# Allegro board S071AA-0413-20260427_Power3.brd (continued)
## Routing (per net, layer and track width the routed paths; a pad name or vN(x,y) marks a point on that pad's centre or on a via; arc(x,y) is an arc through that point) (continued)
; D232.A5 47.06,396.24 ; 171.92,330.2 D113.B13 ; D113.B13 172.99,331.27 ; D113.B13 174.06,330.2 ; D113.B13 172.99,329.13 ; 99.33,395.17 D228.A13 ; D228.A13 100.4,396.24 ; D228.A13 99.33,397.31 ; D228.A13 98.26,396.24 ; 250.66,355.6 D110.A11 ; D110.A11 252.8,355.6 ; D110.A11 251.73,356.67 ; D110.A11 251.73,354.53 ; D106.A3 242.64,73.66 ; D106.A3 241.57,74.73 ; D106.A3 241.57,72.59 ; D106.A3 240.5,73.66 ; D119.B10 39.44,60.96 ; D119.B10 38.37,59.89 ; D119.B10 37.3,60.96 ; D119.B10 38.37,62.03 ; D114.A12 175.53,354.13 ; D114.A12 176.6,353.06 ; D114.A12 174.46,353.06 ; D114.A12 175.53,351.99 ; CSDPS229.B8 38.37,333.81 ; CSDPS229.B8 38.37,331.67 ; CSDPS229.B8 37.3,332.74 ; CSDPS229.B8 39.44,332.74 ; D432.B2 53.61,399.85 ; D432.B2 52.54,398.78 ; D432.B2 53.61,397.71 ; D432.B2 54.68,398.78 ; D113.A7 188.23,336.35 ; D113.A7 188.23,334.21 ; D113.A7 189.3,335.28 ; D113.A7 187.16,335.28 ; 33.29,397.71 D432.B10 ; D432.B10 32.22,398.78 ; D432.B10 34.36,398.78 ; D432.B10 33.29,399.85 ; D112.A10 255.34,393.7 ; D112.A10 254.27,392.63 ; D112.A10 254.27,394.77 ; D112.A10 253.2,393.7 ; 170.45,387.55 D116.B14 ; D116.B14 171.52,388.62 ; D116.B14 170.45,389.69 ; D116.B14 169.38,388.62 ; 180.61,346.91 D114.B10 ; D114.B10 179.54,347.98 ; D114.B10 181.68,347.98 ; D114.B10 180.61,349.05 ; D116.B5 194.38,391.16 ; D116.B5 193.31,390.09 ; D116.B5 193.31,392.23 ; D116.B5 192.24,391.16 ; D104.B8 181.68,40.64 ; D104.B8 179.54,40.64 ; D104.B8 180.61,41.71 ; D104.B8 180.61,39.57 ; 192.24,93.98 D101.A13 ; D101.A13 193.31,95.05 ; D101.A13 193.31,92.91 ; D101.A13 194.38,93.98 ; 32.22,342.9 CSDPS429.B10 ; CSDPS429.B10 34.36,342.9 ; CSDPS429.B10 33.29,341.83 ; CSDPS429.B10 33.29,343.97 ; 254.27,54.81 D107.A8 ; D107.A8 254.27,56.95 ; D107.A8 255.34,55.88 ; D107.A8 253.2,55.88 ; 35.83,379.93 D431.B9 ; D431.B9 36.9,381 ; D431.B9 35.83,382.07 ; D431.B9 34.76,381 ; 29.68,330.2 CSDPS229.C11 ; CSDPS229.C11 31.82,330.2 ; CSDPS229.C11 30.75,329.13 ; CSDPS229.C11 30.75,331.27 ; D109.B4 270.58,327.66 ; D109.B4 269.51,326.59 ; D109.B4 269.51,328.73 ; D109.B4 268.44,327.66 ; UHC230.G3_3 45.19,355.29 ; UHC230.G3_3 44.38,356.1 ; UHC230.G3_3 43.57,355.29 ; UHC230.G3_3 44.38,354.48 ; D117.A4 23.13,97.59 ; D117.A4 22.06,96.52 ; D117.A4 24.2,96.52 ; D117.A4 23.13,95.45 ; 192.24,396.24 D116.A5 ; D116.A5 193.31,395.17 ; D116.A5 193.31,397.31 ; D116.A5 194.38,396.24 ; D114.B1 204.54,350.52 ; D114.B1 203.47,349.45 ; D114.B1 202.4,350.52 ; D114.B1 203.47,351.59 ; 113.5,375.92 D227.A7 ; D227.A7 114.57,374.85 ; D227.A7 114.57,376.99 ; D227.A7 115.64,375.92 ; D109.B16 239.03,328.73 ; D109.B16 239.03,326.59 ; D109.B16 237.96,327.66 ; D109.B16 240.1,327.66 ; 126.2,76.2 D122.A16 ; D122.A16 128.34,76.2 ; D122.A16 127.27,77.27 ; D122.A16 127.27,75.13 ; DPS2.B11 178.07,413.82 ; DPS2.B11 177,412.75 ; DPS2.B11 179.14,412.75 ; DPS2.B11 178.07,411.68 ; D115.B5 194.38,370.84 ; D115.B5 193.31,371.91 ; D115.B5 192.24,370.84 ; D115.B5 193.31,369.77 ; CSDPS425.B2 127.27,343.97 ; CSDPS425.B2 126.2,342.9 ; CSDPS425.B2 128.34,342.9 ; CSDPS425.B2 127.27,341.83 ; D109.B11 252.8,330.2 ; D109.B11 250.66,330.2 ; D109.B11 251.73,329.13 ; D109.B11 251.73,331.27 ; 246.65,354.53 D110.A13 ; D110.A13 247.72,355.6 ; D110.A13 245.58,355.6 ; D110.A13 246.65,356.67 ; UHC430.G2_2 47.49,365.45 ; UHC430.G2_2 46.68,366.26 ; UHC430.G2_2 45.87,365.45 ; UHC430.G2_2 46.68,364.64 ; 93.18,99.06 D121.B3 ; D121.B3 94.25,100.13 ; D121.B3 95.32,99.06 ; D121.B3 94.25,97.99 ; D124.A5 100.4,33.02 ; D124.A5 98.26,33.02 ; D124.A5 99.33,31.95 ; D124.A5 99.33,34.09 ; 30.75,409.14 DPS8.C11 ; DPS8.C11 31.82,410.21 ; DPS8.C11 29.68,410.21 ; DPS8.C11 30.75,411.28 ; 171.92,38.1 D104.B5 ; D104.B5 172.99,39.17 ; D104.B5 172.99,37.03 ; D104.B5 174.06,38.1 ; D114.A11 178.07,356.67 ; D114.A11 179.14,355.6 ; D114.A11 178.07,354.53 ; D114.A11 177,355.6 ; D108.A4 244.11,36.63 ; D108.A4 243.04,35.56 ; D108.A4 244.11,34.49 ; D108.A4 245.18,35.56 ; D102.B15 198.39,79.81 ; D102.B15 198.39,77.67 ; D102.B15 197.32,78.74 ; D102.B15 199.46,78.74 ; D108.B8 255.34,40.64 ; D108.B8 254.27,39.57 ; D108.B8 253.2,40.64 ; D108.B8 254.27,41.71 ; D432.B16 19.12,398.78 ; D432.B16 16.98,398.78 ; D432.B16 18.05,399.85 ; D432.B16 18.05,397.71 ; 52.54,383.54 D431.A2 ; D431.A2 54.68,383.54 ; D431.A2 53.61,384.61 ; D431.A2 53.61,382.47 ; D102.A4 171.52,76.2 ; D102.A4 170.45,75.13 ; D102.A4 169.38,76.2 ; D102.A4 170.45,77.27 ; D232.B8 39.44,388.62 ; D232.B8 38.37,387.55 ; D232.B8 37.3,388.62 ; D232.B8 38.37,389.69 ; D111.A13 247.72,375.92 ; D111.A13 246.65,374.85 ; D111.A13 246.65,376.99 ; D111.A13 245.58,375.92 ; D103.A5 174.06,53.34 ; D103.A5 172.99,54.41 ; D103.A5 171.92,53.34 ; D103.A5 172.99,52.27 ; 199.86,393.7 D116.A2 ; D116.A2 202,393.7 ; D116.A2 200.93,392.63 ; D116.A2 200.93,394.77 ; D117.A6 28.21,97.59 ; D117.A6 27.14,96.52 ; D117.A6 28.21,95.45 ; D117.A6 29.28,96.52 ; D111.B1 278.2,370.84 ; D111.B1 277.13,369.77 ; D111.B1 276.06,370.84 ; D111.B1 277.13,371.91 ; 162.83,72.59 D102.A1 ; D102.A1 163.9,73.66 ; D102.A1 161.76,73.66 ; D102.A1 162.83,74.73 ; D117.A7 31.82,93.98 ; D117.A7 29.68,93.98 ; D117.A7 30.75,92.91 ; D117.A7 30.75,95.05 ; D231.A2 54.68,373.38 ; D231.A2 52.54,373.38 ; D231.A2 53.61,374.45 ; D231.A2 53.61,372.31 ; 117.11,402.79 D428.A6 ; D428.A6 118.18,403.86 ; D428.A6 116.04,403.86 ; D428.A6 117.11,404.93 ; 269.51,372.31 D111.A4 ; D111.A4 269.51,374.45 ; D111.A4 270.58,373.38 ; D111.A4 268.44,373.38 ; D427.B14 97.86,378.46 ; D427.B14 96.79,377.39 ; D427.B14 95.72,378.46 ; D427.B14 96.79,379.53 ; D112.A6 265.5,393.7 ; D112.A6 264.43,392.63 ; D112.A6 263.36,393.7 ; D112.A6 264.43,394.77 ; 167.91,92.91 D101.A3 ; D101.A3 167.91,95.05 ; D101.A3 166.84,93.98 ; D101.A3 168.98,93.98 ; 244.11,331.67 D109.A14 ; D109.A14 243.04,332.74 ; D109.A14 245.18,332.74 ; D109.A14 244.11,333.81 ; 15.51,97.99 D117.B1 ; D117.B1 14.44,99.06 ; D117.B1 16.58,99.06 ; D117.B1 15.51,100.13 ; 127.27,34.49 D124.A16 ; D124.A16 128.34,35.56 ; D124.A16 126.2,35.56 ; D124.A16 127.27,36.63 ; D121.B16 127.27,102.67 ; D121.B16 126.2,101.6 ; D121.B16 127.27,100.53 ; D121.B16 128.34,101.6 ; 240.5,355.6 D110.A15 ; D110.A15 242.64,355.6 ; D110.A15 241.57,356.67 ; D110.A15 241.57,354.53 ; D116.B9 184.22,391.16 ; D116.B9 182.08,391.16 ; D116.B9 183.15,390.09 ; D116.B9 183.15,392.23 ; D120.A2 19.12,35.56 ; D120.A2 18.05,34.49 ; D120.A2 16.98,35.56 ; D120.A2 18.05,36.63 ; 123.66,350.52 CSDPS226.C3 ; CSDPS226.C3 125.8,350.52 ; CSDPS226.C3 124.73,349.45 ; CSDPS226.C3 124.73,351.59 ; 20.59,77.67 D118.B3 ; D118.B3 21.66,78.74 ; D118.B3 19.52,78.74 ; D118.B3 20.59,79.81 ; D115.B11 179.14,370.84 ; D115.B11 178.07,369.77 ; D115.B11 177,370.84 ; D115.B11 178.07,371.91 ; 180.61,80.21 D102.B8 ; D102.B8 180.61,82.35 ; D102.B8 179.54,81.28 ; D102.B8 181.68,81.28 ; D115.A2 202,373.38 ; D115.A2 200.93,372.31 ; D115.A2 200.93,374.45 ; D115.A2 199.86,373.38 ; D122.B13 120.72,78.74 ; D122.B13 119.65,77.67 ; D122.B13 118.58,78.74 ; D122.B13 119.65,79.81 ; D427.B2 128.34,378.46 ; D427.B2 126.2,378.46 ; D427.B2 127.27,377.39 ; D427.B2 127.27,379.53 ; 270.98,58.42 D107.B15 ; D107.B15 273.12,58.42 ; D107.B15 272.05,57.35 ; D107.B15 272.05,59.49 ; D121.B10 112.03,102.67 ; D121.B10 112.03,100.53 ; D121.B10 110.96,101.6 ; D121.B10 113.1,101.6 ; D431.B2 53.61,379.53 ; D431.B2 53.61,377.39 ; D431.B2 54.68,378.46 ; D431.B2 52.54,378.46 ; 48.53,367.23 D231.B4 ; D231.B4 47.46,368.3 ; D231.B4 49.6,368.3 ; D231.B4 48.53,369.37 ; D106.B6 250.26,81.28 ; D106.B6 249.19,80.21 ; D106.B6 249.19,82.35 ; D106.B6 248.12,81.28 ; D122.B9 110.56,78.74 ; D122.B9 108.42,78.74 ; D122.B9 109.49,77.67 ; D122.B9 109.49,79.81 ; 178.07,97.99 D101.B7 ; D101.B7 178.07,100.13 ; D101.B7 177,99.06 ; D101.B7 179.14,99.06 ; D117.A10 38.37,97.59 ; D117.A10 38.37,95.45 ; D117.A10 37.3,96.52 ; D117.A10 39.44,96.52 ; D117.A9 36.9,93.98 ; D117.A9 35.83,95.05 ; D117.A9 35.83,92.91 ; D117.A9 34.76,93.98 ; 244.11,351.99 D110.A14 ; D110.A14 245.18,353.06 ; D110.A14 244.11,354.13 ; D110.A14 243.04,353.06 ; CSDPS429.C9 36.9,340.36 ; CSDPS429.C9 34.76,340.36 ; CSDPS429.C9 35.83,339.29 ; CSDPS429.C9 35.83,341.43 ; D109.A16 240.1,332.74 ; D109.A16 237.96,332.74 ; D109.A16 239.03,331.67 ; D109.A16 239.03,333.81 ; D108.A2 240.1,35.56 ; D108.A2 237.96,35.56 ; D108.A2 239.03,36.63 ; D108.A2 239.03,34.49 ; D108.A7 252.8,33.02 ; D108.A7 250.66,33.02 ; D108.A7 251.73,34.09 ; D108.A7 251.73,31.95 ; D107.B2 240.1,60.96 ; D107.B2 237.96,60.96 ; D107.B2 239.03,62.03 ; D107.B2 239.03,59.89 ; D104.B13 194.38,38.1 ; D104.B13 192.24,38.1 ; D104.B13 193.31,37.03 ; D104.B13 193.31,39.17 ; 96.79,100.53 D121.B4 ; D121.B4 97.86,101.6 ; D121.B4 96.79,102.67 ; D121.B4 95.72,101.6 ; 18.05,372.31 D231.A16 ; D231.A16 16.98,373.38 ; D231.A16 18.05,374.45 ; D231.A16 19.12,373.38 ; 95.72,40.64 D124.B4 ; D124.B4 96.79,41.71 ; D124.B4 96.79,39.57 ; D124.B4 97.86,40.64 ; 34.76,38.1 D120.B9 ; D120.B9 36.9,38.1 ; D120.B9 35.83,39.17 ; D120.B9 35.83,37.03 ; 24.6,78.74 D118.B5 ; D118.B5 25.67,79.81 ; D118.B5 26.74,78.74 ; D118.B5 25.67,77.67 ; 18.03,349.23 UHC230.G4_9 ; UHC230.G4_9 18.03,350.85 ; UHC230.G4_9 17.22,350.04 ; UHC230.G4_9 18.84,350.04 ; 260.82,396.24 D112.A7 ; D112.A7 262.96,396.24 ; D112.A7 261.89,395.17 ; D112.A7 261.89,397.31 ; D227.B4 123.26,368.3 ; D227.B4 122.19,369.37 ; D227.B4 121.12,368.3 ; D227.B4 122.19,367.23 ; D121.A4 97.86,96.52 ; D121.A4 95.72,96.52 ; D121.A4 96.79,95.45 ; D121.A4 96.79,97.59 ; 99.33,52.27 D123.A5 ; D123.A5 99.33,54.41 ; D123.A5 100.4,53.34 ; D123.A5 98.26,53.34 ; D122.A1 90.24,73.66 ; D122.A1 88.1,73.66 ; D122.A1 89.17,74.73 ; D122.A1 89.17,72.59 ; 32.22,368.3 D231.B10 ; D231.B10 33.29,369.37 ; D231.B10 33.29,367.23 ; D231.B10 34.36,368.3 ; 119.65,329.13 CSDPS225.C5 ; CSDPS225.C5 118.58,330.2 ; CSDPS225.C5 119.65,331.27 ; CSDPS225.C5 120.72,330.2 ; 105.88,60.96 D123.B8 ; D123.B8 108.02,60.96 ; D123.B8 106.95,62.03 ; D123.B8 106.95,59.89 ; UHC230.G3_13 44.38,349.1 ; UHC230.G3_13 45.19,348.29 ; UHC230.G3_13 44.38,347.48 ; UHC230.G3_13 43.57,348.29 ; D103.B16 200.93,62.03 ; D103.B16 200.93,59.89 ; D103.B16 199.86,60.96 ; D103.B16 202,60.96 ; D227.B13 99.33,371.91 ; D227.B13 100.4,370.84 ; D227.B13 99.33,369.77 ; D227.B13 98.26,370.84 ; 50,53.34 D119.A15 ; D119.A15 51.07,52.27 ; D119.A15 51.07,54.41 ; D119.A15 52.14,53.34 ; 268.44,96.52 D105.A14 ; D105.A14 269.51,97.59 ; D105.A14 270.58,96.52 ; D105.A14 269.51,95.45 ; D116.B4 196.92,388.62 ; D116.B4 195.85,389.69 ; D116.B4 194.78,388.62 ; D116.B4 195.85,387.55 ; 195.85,351.99 D114.A4 ; D114.A4 195.85,354.13 ; D114.A4 196.92,353.06 ; D114.A4 194.78,353.06 ; 24.6,381 D431.B13 ; D431.B13 26.74,381 ; D431.B13 25.67,382.07 ; D431.B13 25.67,379.93 ; 38.37,100.53 D117.B10 ; D117.B10 39.44,101.6 ; D117.B10 37.3,101.6 ; D117.B10 38.37,102.67 ; CSDPS225.C11 105.48,330.2 ; CSDPS225.C11 104.41,331.27 ; CSDPS225.C11 104.41,329.13 ; CSDPS225.C11 103.34,330.2 ; DPS1.B01 237.56,16.51 ; DPS1.B01 236.49,15.44 ; DPS1.B01 235.42,16.51 ; DPS1.B01 236.49,17.58 ; CSDPS226.C5 120.72,350.52 ; CSDPS226.C5 119.65,349.45 ; CSDPS226.C5 119.65,351.59 ; CSDPS226.C5 118.58,350.52 ; 116.04,81.28 D122.B12 ; D122.B12 117.11,80.21 ; D122.B12 117.11,82.35 ; D122.B12 118.18,81.28 ; 101.87,75.13 D122.A6 ; D122.A6 102.94,76.2 ; D122.A6 101.87,77.27 ; D122.A6 100.8,76.2 ; 48.53,397.71 D432.B4 ; D432.B4 48.53,399.85 ; D432.B4 49.6,398.78 ; D432.B4 47.46,398.78 ; D111.A15 241.57,376.99 ; D111.A15 242.64,375.92 ; D111.A15 240.5,375.92 ; D111.A15 241.57,374.85 ; D110.B2 274.59,349.05 ; D110.B2 275.66,347.98 ; D110.B2 273.52,347.98 ; D110.B2 274.59,346.91 ; 184.62,40.64 D104.B10 ; D104.B10 185.69,39.57 ; D104.B10 186.76,40.64 ; D104.B10 185.69,41.71 ; D121.A10 112.03,97.59 ; D121.A10 110.96,96.52 ; D121.A10 112.03,95.45 ; D121.A10 113.1,96.52 ; D227.A9 110.56,375.92 ; D227.A9 109.49,374.85 ; D227.A9 109.49,376.99 ; D227.A9 108.42,375.92 ; D427.B9 110.56,381 ; D427.B9 108.42,381 ; D427.B9 109.49,379.93 ; D427.B9 109.49,382.07 ; 56.15,411.68 DPS8.B01 ; DPS8.B01 55.08,412.75 ; DPS8.B01 57.22,412.75 ; DPS8.B01 56.15,413.82 ; D104.B2 165.37,41.71 ; D104.B2 165.37,39.57 ; D104.B2 166.44,40.64 ; D104.B2 164.3,40.64 ; 95.72,383.54 D427.A14 ; D427.A14 96.79,382.47 ; D427.A14 97.86,383.54 ; D427.A14 96.79,384.61 ; D124.B6 101.87,41.71 ; D124.B6 102.94,40.64 ; D124.B6 101.87,39.57 ; D124.B6 100.8,40.64 ; D123.B2 92.78,60.96 ; D123.B2 91.71,59.89 ; D123.B2 91.71,62.03 ; D123.B2 90.64,60.96 ; 264.43,80.21 D106.B12 ; D106.B12 264.43,82.35 ; D106.B12 263.36,81.28 ; D106.B12 265.5,81.28 ; 48.53,402.79 D432.A4 ; D432.A4 47.46,403.86 ; D432.A4 49.6,403.86 ; D432.A4 48.53,404.93 ; 23.13,387.55 D232.B14 ; D232.B14 24.2,388.62 ; D232.B14 23.13,389.69 ; D232.B14 22.06,388.62 ; 33.29,54.81 D119.A8 ; D119.A8 34.36,55.88 ; D119.A8 33.29,56.95 ; D119.A8 32.22,55.88 ; 42.38,373.38 D231.A6 ; D231.A6 43.45,374.45 ; D231.A6 44.52,373.38 ; D231.A6 43.45,372.31 ; 43.45,397.71 D432.B6 ; D432.B6 43.45,399.85 ; D432.B6 44.52,398.78 ; D432.B6 42.38,398.78 ; 50,381 D431.B3 ; D431.B3 51.07,382.07 ; D431.B3 52.14,381 ; D431.B3 51.07,379.93 ; 53.61,341.83 CSDPS429.B2 ; CSDPS429.B2 54.68,342.9 ; CSDPS429.B2 52.54,342.9 ; CSDPS429.B2 53.61,343.97 ; 174.46,368.3 D115.B12 ; D115.B12 175.53,369.37 ; D115.B12 176.6,368.3 ; D115.B12 175.53,367.23 ; D121.A14 122.19,97.59 ; D121.A14 123.26,96.52 ; D121.A14 121.12,96.52 ; D121.A14 122.19,95.45 ; 43.45,59.89 D119.B12 ; D119.B12 44.52,60.96 ; D119.B12 43.45,62.03 ; D119.B12 42.38,60.96 ; 165.37,331.67 D113.A16 ; D113.A16 164.3,332.74 ; D113.A16 165.37,333.81 ; D113.A16 166.44,332.74 ; D121.B15 124.73,100.13 ; D121.B15 124.73,97.99 ; D121.B15 123.66,99.06 ; D121.B15 125.8,99.06 ; D120.B3 20.59,39.17 ; D120.B3 19.52,38.1 ; D120.B3 21.66,38.1 ; D120.B3 20.59,37.03 ; 122.19,377.39 D427.B4 ; D427.B4 121.12,378.46 ; D427.B4 122.19,379.53 ; D427.B4 123.26,378.46 ; 104.41,97.99 D121.B7 ; D121.B7 103.34,99.06 ; D121.B7 104.41,100.13 ; D121.B7 105.48,99.06 ; D111.A2 274.59,374.45 ; D111.A2 273.52,373.38 ; D111.A2 274.59,372.31 ; D111.A2 275.66,373.38 ; D432.A10 34.36,403.86 ; D432.A10 32.22,403.86 ; D432.A10 33.29,404.93 ; D432.A10 33.29,402.79 ; D427.B17 90.24,381 ; D427.B17 89.17,382.07 ; D427.B17 89.17,379.93 ; D427.B17 88.1,381 ; D232.B1 57.22,391.16 ; D232.B1 56.15,392.23 ; D232.B1 56.15,390.09 ; D232.B1 55.08,391.16 ; D111.B8 259.35,369.37 ; D111.B8 260.42,368.3 ; D111.B8 259.35,367.23 ; D111.B8 258.28,368.3 ; 110.96,55.88 D123.A10 ; D123.A10 112.03,54.81 ; D123.A10 113.1,55.88 ; D123.A10 112.03,56.95 ; D111.B2 275.66,368.3 ; D111.B2 274.59,367.23 ; D111.B2 273.52,368.3 ; D111.B2 274.59,369.37 ; 18.05,80.21 D118.B2 ; D118.B2 19.12,81.28 ; D118.B2 18.05,82.35 ; D118.B2 16.98,81.28 ; D119.B7 30.75,59.49 ; D119.B7 31.82,58.42 ; D119.B7 29.68,58.42 ; D119.B7 30.75,57.35 ; D111.B12 249.19,369.37 ; D111.B12 250.26,368.3 ; D111.B12 248.12,368.3 ; D111.B12 249.19,367.23 ; D101.B14 195.85,102.67 ; D101.B14 194.78,101.6 ; D101.B14 196.92,101.6 ; D101.B14 195.85,100.53 ; CSDPS426.B2 127.27,364.29 ; CSDPS426.B2 126.2,363.22 ; CSDPS426.B2 127.27,362.15 ; CSDPS426.B2 128.34,363.22 ; D112.B13 247.72,391.16 ; D112.B13 245.58,391.16 ; D112.B13 246.65,392.23 ; D112.B13 246.65,390.09 ; D116.A8 186.76,393.7 ; D116.A8 185.69,392.63 ; D116.A8 184.62,393.7 ; D116.A8 185.69,394.77 ; D101.A5 172.99,95.05 ; D101.A5 172.99,92.91 ; D101.A5 171.92,93.98 ; D101.A5 174.06,93.98 ; D120.B15 51.07,39.17 ; D120.B15 52.14,38.1 ; D120.B15 51.07,37.03 ; D120.B15 50,38.1 ; 170.45,54.81 D103.A4 ; D103.A4 170.45,56.95 ; D103.A4 171.52,55.88 ; D103.A4 169.38,55.88 ; 104.41,57.35 D123.B7 ; D123.B7 104.41,59.49 ; D123.B7 105.48,58.42 ; D123.B7 103.34,58.42 ; 20.59,411.68 DPS8.B15 ; DPS8.B15 19.52,412.75 ; DPS8.B15 20.59,413.82 ; DPS8.B15 21.66,412.75 ; 185.69,346.91 D114.B8 ; D114.B8 186.76,347.98 ; D114.B8 185.69,349.05 ; D114.B8 184.62,347.98 ; 274.59,80.21 D106.B16 ; D106.B16 274.59,82.35 ; D106.B16 273.52,81.28 ; D106.B16 275.66,81.28 ; 239.03,100.53 D105.B2 ; D105.B2 237.96,101.6 ; D105.B2 240.1,101.6 ; D105.B2 239.03,102.67 ; D117.B13 45.99,100.13 ; D117.B13 45.99,97.99 ; D117.B13 47.06,99.06 ; D117.B13 44.92,99.06 ; 126.2,332.74 CSDPS225.B2 ; CSDPS225.B2 127.27,333.81 ; CSDPS225.B2 128.34,332.74 ; CSDPS225.B2 127.27,331.67 ; D107.B10 260.42,60.96 ; D107.B10 258.28,60.96 ; D107.B10 259.35,62.03 ; D107.B10 259.35,59.89 ; UHC430.G1_10 15.73,361.01 ; UHC430.G1_10 14.92,360.2 ; UHC430.G1_10 15.73,359.39 ; UHC430.G1_10 16.54,360.2 ; 112.03,372.31 D227.A8 ; D227.A8 110.96,373.38 ; D227.A8 112.03,374.45 ; D227.A8 113.1,373.38 ; 276.06,350.52 D110.B1 ; D110.B1 277.13,349.45 ; D110.B1 278.2,350.52 ; D110.B1 277.13,351.59 ; D108.B5 247.72,38.1 ; D108.B5 246.65,39.17 ; D108.B5 245.58,38.1 ; D108.B5 246.65,37.03 ; 171.92,335.28 D113.A13 ; D113.A13 172.99,334.21 ; D113.A13 174.06,335.28 ; D113.A13 172.99,336.35 ; D123.A7 105.48,53.34 ; D123.A7 103.34,53.34 ; D123.A7 104.41,54.41 ; D123.A7 104.41,52.27 ; 56.15,374.85 D231.A1 ; D231.A1 55.08,375.92 ; D231.A1 57.22,375.92 ; D231.A1 56.15,376.99 ; 110.96,363.22 CSDPS426.B8 ; CSDPS426.B8 112.03,362.15 ; CSDPS426.B8 113.1,363.22 ; CSDPS426.B8 112.03,364.29 ; D120.A15 52.14,33.02 ; D120.A15 51.07,31.95 ; D120.A15 50,33.02 ; D120.A15 51.07,34.09 ; D111.A6 265.5,373.38 ; D111.A6 264.43,374.45 ; D111.A6 263.36,373.38 ; D111.A6 264.43,372.31 ; D106.A13 268.04,73.66 ; D106.A13 266.97,74.73 ; D106.A13 266.97,72.59 ; D106.A13 265.9,73.66 ; D109.A10 254.27,333.81 ; D109.A10 254.27,331.67 ; D109.A10 255.34,332.74 ; D109.A10 253.2,332.74 ; 110.96,342.9 CSDPS425.B8 ; CSDPS425.B8 112.03,343.97 ; CSDPS425.B8 112.03,341.83 ; CSDPS425.B8 113.1,342.9 ; D109.B8 260.42,327.66 ; D109.B8 258.28,327.66 ; D109.B8 259.35,326.59 ; D109.B8 259.35,328.73 ; 37.3,40.64 D120.B10 ; D120.B10 38.37,39.57 ; D120.B10 39.44,40.64 ; D120.B10 38.37,41.71 ; 255.74,58.42 D107.B9 ; D107.B9 256.81,57.35 ; D107.B9 257.88,58.42 ; D107.B9 256.81,59.49 ; D227.B6 117.11,369.37 ; D227.B6 118.18,368.3 ; D227.B6 117.11,367.23 ; D227.B6 116.04,368.3 ; D122.A8 108.02,76.2 ; D122.A8 105.88,76.2 ; D122.A8 106.95,77.27 ; D122.A8 106.95,75.13 ; 39.84,330.2 CSDPS229.C7 ; CSDPS229.C7 40.91,331.27 ; CSDPS229.C7 40.91,329.13 ; CSDPS229.C7 41.98,330.2 ; 272.05,17.98 DPS1.C15 ; DPS1.C15 272.05,20.12 ; DPS1.C15 270.98,19.05 ; DPS1.C15 273.12,19.05 ; 200.93,75.13 D102.A16 ; D102.A16 202,76.2 ; D102.A16 199.86,76.2 ; D102.A16 200.93,77.27 ; D228.B11 105.48,391.16 ; D228.B11 104.41,392.23 ; D228.B11 104.41,390.09 ; D228.B11 103.34,391.16 ; D104.A9 183.15,34.09 ; D104.A9 183.15,31.95 ; D104.A9 182.08,33.02 ; D104.A9 184.22,33.02 ; 167.91,77.67 D102.B3 ; D102.B3 168.98,78.74 ; D102.B3 167.91,79.81 ; D102.B3 166.84,78.74 ; D113.B7 189.3,330.2 ; D113.B7 187.16,330.2 ; D113.B7 188.23,331.27 ; D113.B7 188.23,329.13 ; D114.B13 174.06,350.52 ; D114.B13 172.99,349.45 ; D114.B13 171.92,350.52 ; D114.B13 172.99,351.59 ; 53.61,392.63 D232.A2 ; D232.A2 54.68,393.7 ; D232.A2 52.54,393.7 ; D232.A2 53.61,394.77 ; 175.53,346.91 D114.B12 ; D114.B12 175.53,349.05 ; D114.B12 176.6,347.98 ; D114.B12 174.46,347.98 ; 277.13,374.85 D111.A1 ; D111.A1 278.2,375.92 ; D111.A1 276.06,375.92 ; D111.A1 277.13,376.99 ; 91.71,351.99 CSDPS226.B16 ; CSDPS226.B16 90.64,353.06 ; CSDPS226.B16 92.78,353.06 ; CSDPS226.B16 91.71,354.13 ; 259.35,34.49 D108.A10 ; D108.A10 260.42,35.56 ; D108.A10 259.35,36.63 ; D108.A10 258.28,35.56 ; 245.58,350.52 D110.B13 ; D110.B13 247.72,350.52 ; D110.B13 246.65,351.59 ; D110.B13 246.65,349.45 ; 256.81,72.59 D106.A9 ; D106.A9 256.81,74.73 ; D106.A9 257.88,73.66 ; D106.A9 255.74,73.66 ; D428.A16 91.71,404.93 ; D428.A16 91.71,402.79 ; D428.A16 90.64,403.86 ; D428.A16 92.78,403.86 ; 123.66,330.2 CSDPS225.C3 ; CSDPS225.C3 124.73,329.13 ; CSDPS225.C3 125.8,330.2 ; CSDPS225.C3 124.73,331.27 ; 20.59,374.85 D231.A15 ; D231.A15 21.66,375.92 ; D231.A15 19.52,375.92 ; D231.A15 20.59,376.99 ; D113.B12 176.6,327.66 ; D113.B12 175.53,326.59 ; D113.B12 174.46,327.66 ; D113.B12 175.53,328.73 ; D427.B13 99.33,382.07 ; D427.B13 100.4,381 ; D427.B13 98.26,381 ; D427.B13 99.33,379.93 ; 14.58,361.14 UHC430.G1_8 ; UHC430.G1_8 13.77,361.95 ; UHC430.G1_8 14.58,362.76 ; UHC430.G1_8 15.39,361.95 ; 91.71,397.71 D428.B16 ; D428.B16 92.78,398.78 ; D428.B16 91.71,399.85 ; D428.B16 90.64,398.78 ; D232.B6 43.45,389.69 ; D232.B6 43.45,387.55 ; D232.B6 42.38,388.62 ; D232.B6 44.52,388.62 ; D101.B2 166.44,101.6 ; D101.B2 164.3,101.6 ; D101.B2 165.37,102.67 ; D101.B2 165.37,100.53 ; 161.76,38.1 D104.B1 ; D104.B1 162.83,39.17 ; D104.B1 163.9,38.1 ; D104.B1 162.83,37.03 ; D231.B8 38.37,369.37 ; D231.B8 38.37,367.23 ; D231.B8 39.44,368.3 ; D231.B8 37.3,368.3 ; D123.B6 102.94,60.96 ; D123.B6 101.87,62.03 ; D123.B6 100.8,60.96 ; D123.B6 101.87,59.89 ; 246.65,395.17 D112.A13 ; D112.A13 246.65,397.31 ; D112.A13 245.58,396.24 ; D112.A13 247.72,396.24 ; D428.A10 108.02,403.86 ; D428.A10 106.95,404.93 ; D428.A10 105.88,403.86 ; D428.A10 106.95,402.79 ; 119.65,72.59 D122.A13 ; D122.A13 119.65,74.73 ; D122.A13 120.72,73.66 ; D122.A13 118.58,73.66 ; 24.6,58.42 D119.B5 ; D119.B5 25.67,59.49 ; D119.B5 25.67,57.35 ; D119.B5 26.74,58.42 ; D107.B11 262.96,58.42 ; D107.B11 261.89,59.49 ; D107.B11 261.89,57.35 ; D107.B11 260.82,58.42 ; D105.A12 265.5,96.52 ; D105.A12 263.36,96.52 ; D105.A12 264.43,95.45 ; D105.A12 264.43,97.59 ; 16.98,393.7 D232.A16 ; D232.A16 18.05,392.63 ; D232.A16 19.12,393.7 ; D232.A16 18.05,394.77 ; D428.A7 115.64,406.4 ; D428.A7 114.57,405.33 ; D428.A7 113.5,406.4 ; D428.A7 114.57,407.47 ; D101.B1 162.83,100.13 ; D101.B1 161.76,99.06 ; D101.B1 163.9,99.06 ; D101.B1 162.83,97.99 ; 52.54,35.56 D120.A16 ; D120.A16 53.61,36.63 ; D120.A16 54.68,35.56 ; D120.A16 53.61,34.49 ; D106.A12 264.43,77.27 ; D106.A12 265.5,76.2 ; D106.A12 263.36,76.2 ; D106.A12 264.43,75.13 ; 23.13,372.31 D231.A14 ; D231.A14 23.13,374.45 ; D231.A14 22.06,373.38 ; D231.A14 24.2,373.38 ; D432.A2 53.61,404.93 ; D432.A2 53.61,402.79 ; D432.A2 52.54,403.86 ; D432.A2 54.68,403.86 ; D118.A14 48.53,77.27 ; D118.A14 48.53,75.13 ; D118.A14 49.6,76.2 ; D118.A14 47.46,76.2 ; 236.49,52.27 D107.A1 ; D107.A1 236.49,54.41 ; D107.A1 237.56,53.34 ; D107.A1 235.42,53.34 ; D101.A2 165.37,97.59 ; D101.A2 165.37,95.45 ; D101.A2 164.3,96.52 ; D101.A2 166.44,96.52 ; 45.99,390.09 D232.B5 ; D232.B5 47.06,391.16 ; D232.B5 45.99,392.23 ; D232.B5 44.92,391.16 ; 124.73,339.29 CSDPS425.C3 ; CSDPS425.C3 125.8,340.36 ; CSDPS425.C3 124.73,341.43 ; CSDPS425.C3 123.66,340.36 ; 88.1,375.92 D227.A17 ; D227.A17 90.24,375.92 ; D227.A17 89.17,374.85 ; D227.A17 89.17,376.99 ; D103.A12 191.84,55.88 ; D103.A12 190.77,56.95 ; D103.A12 190.77,54.81 ; D103.A12 189.7,55.88 ; D113.A8 185.69,333.81 ; D113.A8 185.69,331.67 ; D113.A8 186.76,332.74 ; D113.A8 184.62,332.74 ; 119.65,369.77 D227.B5 ; D227.B5 120.72,370.84 ; D227.B5 119.65,371.91 ; D227.B5 118.58,370.84 ; 122.19,382.47 D427.A4 ; D427.A4 123.26,383.54 ; D427.A4 121.12,383.54 ; D427.A4 122.19,384.61 ; 53.61,387.55 D232.B2 ; D232.B2 52.54,388.62 ; D232.B2 54.68,388.62 ; D232.B2 53.61,389.69 ; D105.A3 242.64,93.98 ; D105.A3 240.5,93.98 ; D105.A3 241.57,92.91 ; D105.A3 241.57,95.05 ; DPS3.B11 115.64,16.51 ; DPS3.B11 114.57,17.58 ; DPS3.B11 114.57,15.44 ; DPS3.B11 113.5,16.51 ; 19.52,386.08 D431.A15 ; D431.A15 20.59,385.01 ; D431.A15 21.66,386.08 ; D431.A15 20.59,387.15 ; 101.87,382.47 D427.A12 ; D427.A12 101.87,384.61 ; D427.A12 100.8,383.54 ; D427.A12 102.94,383.54 ; D117.A12 44.52,96.52 ; D117.A12 43.45,97.59 ; D117.A12 42.38,96.52 ; D117.A12 43.45,95.45 ; D106.A5 246.65,74.73 ; D106.A5 245.58,73.66 ; D106.A5 246.65,72.59 ; D106.A5 247.72,73.66 ; D112.A12 250.26,393.7 ; D112.A12 248.12,393.7 ; D112.A12 249.19,394.77 ; D112.A12 249.19,392.63 ; D123.A8 108.02,55.88 ; D123.A8 106.95,56.95 ; D123.A8 106.95,54.81 ; D123.A8 105.88,55.88 ; D427.A16 92.78,383.54 ; D427.A16 91.71,384.61 ; D427.A16 91.71,382.47 ; D427.A16 90.64,383.54 ; D116.A12 175.53,394.77 ; D116.A12 174.46,393.7 ; D116.A12 176.6,393.7 ; D116.A12 175.53,392.63 ; 90.64,368.3 D227.B16 ; D227.B16 91.71,369.37 ; D227.B16 92.78,368.3 ; D227.B16 91.71,367.23 ; 14.44,33.02 D120.A1 ; D120.A1 15.51,31.95 ; D120.A1 16.58,33.02 ; D120.A1 15.51,34.09 ; D124.B12 117.11,41.71 ; D124.B12 118.18,40.64 ; D124.B12 116.04,40.64 ; D124.B12 117.11,39.57 ; 34.76,406.4 D432.A9 ; D432.A9 36.9,406.4 ; D432.A9 35.83,407.47 ; D432.A9 35.83,405.33 ; D111.B13 246.65,371.91 ; D111.B13 245.58,370.84 ; D111.B13 246.65,369.77 ; D111.B13 247.72,370.84 ; D110.B12 249.19,349.05 ; D110.B12 249.19,346.91 ; D110.B12 250.26,347.98 ; D110.B12 248.12,347.98 ; 118.58,340.36 CSDPS425.C5 ; CSDPS425.C5 119.65,341.43 ; CSDPS425.C5 119.65,339.29 ; CSDPS425.C5 120.72,340.36 ; 272.05,15.44 DPS1.B15 ; DPS1.B15 272.05,17.58 ; DPS1.B15 270.98,16.51 ; DPS1.B15 273.12,16.51 ; 114.57,400.25 D428.B7 ; D428.B7 115.64,401.32 ; D428.B7 113.5,401.32 ; D428.B7 114.57,402.39 ; D101.A8 180.61,97.59 ; D101.A8 179.54,96.52 ; D101.A8 180.61,95.45 ; D101.A8 181.68,96.52 ; 179.54,60.96 D103.B8 ; D103.B8 180.61,59.89 ; D103.B8 180.61,62.03 ; D103.B8 181.68,60.96 ; D120.A5 26.74,33.02 ; D120.A5 25.67,34.09 ; D120.A5 25.67,31.95 ; D120.A5 24.6,33.02 ; D228.B9 110.56,391.16 ; D228.B9 108.42,391.16 ; D228.B9 109.49,392.23 ; D228.B9 109.49,390.09 ; D120.B6 28.21,41.71 ; D120.B6 27.14,40.64 ; D120.B6 29.28,40.64 ; D120.B6 28.21,39.57 ; D117.B2 19.12,101.6 ; D117.B2 18.05,102.67 ; D117.B2 18.05,100.53 ; D117.B2 16.98,101.6 ; D116.A3 199.46,396.24 ; D116.A3 198.39,395.17 ; D116.A3 198.39,397.31 ; D116.A3 197.32,396.24 ; D102.B10 185.69,82.35 ; D102.B10 186.76,81.28 ; D102.B10 185.69,80.21 ; D102.B10 184.62,81.28 ; 165.37,367.23 D115.B16 ; D115.B16 166.44,368.3 ; D115.B16 165.37,369.37 ; D115.B16 164.3,368.3 ; 105.88,35.56 D124.A8 ; D124.A8 106.95,34.49 ; D124.A8 106.95,36.63 ; D124.A8 108.02,35.56 ; 96.79,351.99 CSDPS226.B14 ; CSDPS226.B14 96.79,354.13 ; CSDPS226.B14 95.72,353.06 ; CSDPS226.B14 97.86,353.06 ; D115.A14 170.45,374.45 ; D115.A14 169.38,373.38 ; D115.A14 170.45,372.31 ; D115.A14 171.52,373.38 ; D124.B10 113.1,40.64 ; D124.B10 112.03,39.57 ; D124.B10 112.03,41.71 ; D124.B10 110.96,40.64 ; 90.64,388.62 D228.B16 ; D228.B16 91.71,387.55 ; D228.B16 92.78,388.62 ; D228.B16 91.71,389.69 ; 175.53,75.13 D102.A6 ; D102.A6 174.46,76.2 ; D102.A6 175.53,77.27 ; D102.A6 176.6,76.2 ; 184.62,76.2 D102.A10 ; D102.A10 186.76,76.2 ; D102.A10 185.69,75.13 ; D102.A10 185.69,77.27 ; 24.6,406.4 D432.A13 ; D432.A13 25.67,407.47 ; D432.A13 26.74,406.4 ; D432.A13 25.67,405.33 ; D115.A5 193.31,376.99 ; D115.A5 194.38,375.92 ; D115.A5 192.24,375.92 ; D115.A5 193.31,374.85 ; D114.B2 200.93,349.05 ; D114.B2 200.93,346.91 ; D114.B2 202,347.98 ; D114.B2 199.86,347.98 ; 30.75,339.29 CSDPS429.C11 ; CSDPS429.C11 30.75,341.43 ; CSDPS429.C11 29.68,340.36 ; CSDPS429.C11 31.82,340.36 ; D109.B10 255.34,327.66 ; D109.B10 254.27,326.59 ; D109.B10 254.27,328.73 ; D109.B10 253.2,327.66 ; D106.A2 239.03,77.27 ; D106.A2 239.03,75.13 ; D106.A2 240.1,76.2 ; D106.A2 237.96,76.2 ; 273.52,40.64 D108.B16 ; D108.B16 275.66,40.64 ; D108.B16 274.59,39.57 ; D108.B16 274.59,41.71 ; 260.82,335.28 D109.A7 ; D109.A7 261.89,336.35 ; D109.A7 261.89,334.21 ; D109.A7 262.96,335.28 ; D121.B1 90.24,99.06 ; D121.B1 88.1,99.06 ; D121.B1 89.17,97.99 ; D121.B1 89.17,100.13 ; 264.43,34.49 D108.A12 ; D108.A12 264.43,36.63 ; D108.A12 265.5,35.56 ; D108.A12 263.36,35.56 ; D104.A7 179.14,33.02 ; D104.A7 178.07,31.95 ; D104.A7 177,33.02 ; D104.A7 178.07,34.09 ; 117.11,382.47 D427.A6 ; D427.A6 117.11,384.61 ; D427.A6 118.18,383.54 ; D427.A6 116.04,383.54 ; D112.A1 278.2,396.24 ; D112.A1 276.06,396.24 ; D112.A1 277.13,395.17 ; D112.A1 277.13,397.31 ; 261.89,15.44 DPS1.B11 ; DPS1.B11 262.96,16.51 ; DPS1.B11 261.89,17.58 ; DPS1.B11 260.82,16.51 ; 263.36,368.3 D111.B6 ; D111.B6 264.43,367.23 ; D111.B6 265.5,368.3 ; D111.B6 264.43,369.37 ; D102.B4 171.52,81.28 ; D102.B4 170.45,82.35 ; D102.B4 170.45,80.21 ; D102.B4 169.38,81.28 ; 121.12,60.96 D123.B14 ; D123.B14 122.19,62.03 ; D123.B14 122.19,59.89 ; D123.B14 123.26,60.96 ; 270.98,396.24 D112.A3 ; D112.A3 273.12,396.24 ; D112.A3 272.05,395.17 ; D112.A3 272.05,397.31 ; D123.B4 97.86,60.96 ; D123.B4 96.79,62.03 ; D123.B4 96.79,59.89 ; D123.B4 95.72,60.96 ; 116.04,388.62 D228.B6 ; D228.B6 118.18,388.62 ; D228.B6 117.11,389.69 ; D228.B6 117.11,387.55 ; 40.91,37.03 D120.B11 ; D120.B11 39.84,38.1 ; D120.B11 40.91,39.17 ; D120.B11 41.98,38.1 ; UHC230.G3_4 47.83,354.35 ; UHC230.G3_4 47.83,352.73 ; UHC230.G3_4 48.64,353.54 ; UHC230.G3_4 47.02,353.54 ; D112.B12 249.19,389.69 ; D112.B12 250.26,388.62 ; D112.B12 249.19,387.55 ; D112.B12 248.12,388.62 ; 96.79,54.81 D123.A4 ; D123.A4 96.79,56.95 ; D123.A4 97.86,55.88 ; D123.A4 95.72,55.88 ; 16.98,403.86 D432.A16 ; D432.A16 19.12,403.86 ; D432.A16 18.05,402.79 ; D432.A16 18.05,404.93 ; D107.A11 262.96,53.34 ; D107.A11 261.89,54.41 ; D107.A11 260.82,53.34 ; D107.A11 261.89,52.27 ; D114.A8 185.69,354.13 ; D114.A8 184.62,353.06 ; D114.A8 186.76,353.06 ; D114.A8 185.69,351.99 ; D120.A13 47.06,33.02 ; D120.A13 45.99,31.95 ; D120.A13 45.99,34.09 ; D120.A13 44.92,33.02 ; D124.A14 123.26,35.56 ; D124.A14 122.19,34.49 ; D124.A14 121.12,35.56 ; D124.A14 122.19,36.63 ; 167.91,395.17 D116.A15 ; D116.A15 168.98,396.24 ; D116.A15 167.91,397.31 ; D116.A15 166.84,396.24 ; D103.B14 196.92,60.96 ; D103.B14 195.85,62.03 ; D103.B14 194.78,60.96 ; D103.B14 195.85,59.89 ; D122.B15 124.73,79.81 ; D122.B15 124.73,77.67 ; D122.B15 123.66,78.74 ; D122.B15 125.8,78.74 ; 259.35,80.21 D106.B10 ; D106.B10 260.42,81.28 ; D106.B10 258.28,81.28 ; D106.B10 259.35,82.35 ; D231.A9 35.83,376.99 ; D231.A9 36.9,375.92 ; D231.A9 34.76,375.92 ; D231.A9 35.83,374.85 ; D112.B5 268.04,391.16 ; D112.B5 266.97,390.09 ; D112.B5 266.97,392.23 ; D112.B5 265.9,391.16 ; CSDPS229.B10 34.36,332.74 ; CSDPS229.B10 33.29,331.67 ; CSDPS229.B10 33.29,333.81 ; CSDPS229.B10 32.22,332.74 ; 182.08,330.2 D113.B9 ; D113.B9 184.22,330.2 ; D113.B9 183.15,331.27 ; D113.B9 183.15,329.13 ; D427.A7 115.64,386.08 ; D427.A7 114.57,387.15 ; D427.A7 113.5,386.08 ; D427.A7 114.57,385.01 ; UHC430.G1_4 18.03,364.51 ; UHC430.G1_4 18.03,362.89 ; UHC430.G1_4 18.84,363.7 ; UHC430.G1_4 17.22,363.7 ; 192.24,410.21 DPS2.C05 ; DPS2.C05 193.31,409.14 ; DPS2.C05 193.31,411.28 ; DPS2.C05 194.38,410.21 ; 29.68,401.32 D432.B11 ; D432.B11 31.82,401.32 ; D432.B11 30.75,402.39 ; D432.B11 30.75,400.25 ; 166.84,99.06 D101.B3 ; D101.B3 167.91,97.99 ; D101.B3 167.91,100.13 ; D101.B3 168.98,99.06 ; D108.A1 237.56,33.02 ; D108.A1 235.42,33.02 ; D108.A1 236.49,34.09 ; D108.A1 236.49,31.95 ; D115.A7 189.3,375.92 ; D115.A7 188.23,376.99 ; D115.A7 187.16,375.92 ; D115.A7 188.23,374.85 ; 199.86,35.56 D104.A16 ; D104.A16 200.93,36.63 ; D104.A16 202,35.56 ; D104.A16 200.93,34.49 ; 194.78,40.64 D104.B14 ; D104.B14 195.85,39.57 ; D104.B14 195.85,41.71 ; D104.B14 196.92,40.64 ; 121.12,388.62 D228.B4 ; D228.B4 122.19,387.55 ; D228.B4 123.26,388.62 ; D228.B4 122.19,389.69 ; UHC430.G1_13 14.58,359.26 ; UHC430.G1_13 14.58,357.64 ; UHC430.G1_13 13.77,358.45 ; UHC430.G1_13 15.39,358.45 ; D428.B12 101.87,399.85 ; D428.B12 102.94,398.78 ; D428.B12 100.8,398.78 ; D428.B12 101.87,397.71 ; CSDPS425.C7 115.64,340.36 ; CSDPS425.C7 114.57,339.29 ; CSDPS425.C7 114.57,341.43 ; CSDPS425.C7 113.5,340.36 ; 44.92,58.42 D119.B13 ; D119.B13 45.99,59.49 ; D119.B13 45.99,57.35 ; D119.B13 47.06,58.42 ; 90.64,342.9 CSDPS425.B16 ; CSDPS425.B16 91.71,341.83 ; CSDPS425.B16 92.78,342.9 ; CSDPS425.B16 91.71,343.97 ; 264.43,100.53 D105.B12 ; D105.B12 265.5,101.6 ; D105.B12 263.36,101.6 ; D105.B12 264.43,102.67 ; D112.B7 261.89,392.23 ; D112.B7 261.89,390.09 ; D112.B7 260.82,391.16 ; D112.B7 262.96,391.16 ; 114.57,17.98 DPS3.C11 ; DPS3.C11 114.57,20.12 ; DPS3.C11 115.64,19.05 ; DPS3.C11 113.5,19.05 ; D121.B9 109.49,100.13 ; D121.B9 109.49,97.99 ; D121.B9 108.42,99.06 ; D121.B9 110.56,99.06 ; 48.53,377.39 D431.B4 ; D431.B4 48.53,379.53 ; D431.B4 47.46,378.46 ; D431.B4 49.6,378.46 ; 202.4,415.29 DPS2.A01 ; DPS2.A01 204.54,415.29 ; DPS2.A01 203.47,414.22 ; DPS2.A01 203.47,416.36 ; D103.A8 181.68,55.88 ; D103.A8 179.54,55.88 ; D103.A8 180.61,56.95 ; D103.A8 180.61,54.81 ; D111.A16 239.03,374.45 ; D111.A16 240.1,373.38 ; D111.A16 237.96,373.38 ; D111.A16 239.03,372.31 ; D110.B16 239.03,349.05 ; D110.B16 240.1,347.98 ; D110.B16 237.96,347.98 ; D110.B16 239.03,346.91 ; D431.A9 36.9,386.08 ; D431.A9 35.83,387.15 ; D431.A9 35.83,385.01 ; D431.A9 34.76,386.08 ; D101.A15 198.39,95.05 ; D101.A15 198.39,92.91 ; D101.A15 199.46,93.98 ; D101.A15 197.32,93.98 ; D109.B2 275.66,327.66 ; D109.B2 274.59,326.59 ; D109.B2 274.59,328.73 ; D109.B2 273.52,327.66 ; 171.92,396.24 D116.A13 ; D116.A13 174.06,396.24 ; D116.A13 172.99,397.31 ; D116.A13 172.99,395.17 ; 47.46,388.62 D232.B4 ; D232.B4 48.53,389.69 ; D232.B4 49.6,388.62 ; D232.B4 48.53,387.55 ; D113.A11 178.07,336.35 ; D113.A11 177,335.28 ; D113.A11 179.14,335.28 ; D113.A11 178.07,334.21 ; D431.A6 44.52,383.54 ; D431.A6 43.45,382.47 ; D431.A6 42.38,383.54 ; D431.A6 43.45,384.61 ; D109.B7 262.96,330.2 ; D109.B7 261.89,331.27 ; D109.B7 261.89,329.13 ; D109.B7 260.82,330.2 ; D114.A15 168.98,355.6 ; D114.A15 167.91,356.67 ; D114.A15 166.84,355.6 ; D114.A15 167.91,354.53 ; D432.A1 56.15,407.47 ; D432.A1 57.22,406.4 ; D432.A1 55.08,406.4 ; D432.A1 56.15,405.33 ; 106.95,80.21 D122.B8 ; D122.B8 106.95,82.35 ; D122.B8 105.88,81.28 ; D122.B8 108.02,81.28 ; 171.92,375.92 D115.A13 ; D115.A13 172.99,374.85 ; D115.A13 172.99,376.99 ; D115.A13 174.06,375.92 ; 35.83,97.99 D117.B9 ; D117.B9 36.9,99.06 ; D117.B9 34.76,99.06 ; D117.B9 35.83,100.13 ; CSDPS226.B8 112.03,354.13 ; CSDPS226.B8 110.96,353.06 ; CSDPS226.B8 113.1,353.06 ; CSDPS226.B8 112.03,351.99 ; D121.B6 102.94,101.6 ; D121.B6 101.87,102.67 ; D121.B6 100.8,101.6 ; D121.B6 101.87,100.53 ; 46.68,347.48 UHC230.G3_12 ; UHC230.G3_12 45.87,348.29 ; UHC230.G3_12 47.49,348.29 ; UHC230.G3_12 46.68,349.1 ; D109.B9 257.88,330.2 ; D109.B9 256.81,329.13 ; D109.B9 255.74,330.2 ; D109.B9 256.81,331.27 ; D114.B11 178.07,351.59 ; D114.B11 179.14,350.52 ; D114.B11 178.07,349.45 ; D114.B11 177,350.52 ; D107.A4 244.11,56.95 ; D107.A4 244.11,54.81 ; D107.A4 245.18,55.88 ; D107.A4 243.04,55.88 ; 126.2,40.64 D124.B16 ; D124.B16 127.27,41.71 ; D124.B16 128.34,40.64 ; D124.B16 127.27,39.57 ; D116.B8 185.69,389.69 ; D116.B8 186.76,388.62 ; D116.B8 185.69,387.55 ; D116.B8 184.62,388.62 ; DPS3.B15 125.8,16.51 ; DPS3.B15 124.73,17.58 ; DPS3.B15 124.73,15.44 ; DPS3.B15 123.66,16.51 ; 192.24,412.75 DPS2.B05 ; DPS2.B05 193.31,413.82 ; DPS2.B05 194.38,412.75 ; DPS2.B05 193.31,411.68 ; 248.12,55.88 D107.A6 ; D107.A6 249.19,56.95 ; D107.A6 249.19,54.81 ; D107.A6 250.26,55.88 ; 185.69,59.89 D103.B10 ; D103.B10 186.76,60.96 ; D103.B10 185.69,62.03 ; D103.B10 184.62,60.96 ; 180.61,326.59 D113.B10 ; D113.B10 180.61,328.73 ; D113.B10 181.68,327.66 ; D113.B10 179.54,327.66 ; 100.8,342.9 CSDPS425.B12 ; CSDPS425.B12 102.94,342.9 ; CSDPS425.B12 101.87,343.97 ; CSDPS425.B12 101.87,341.83 ; D227.A5 120.72,375.92 ; D227.A5 118.58,375.92 ; D227.A5 119.65,376.99 ; D227.A5 119.65,374.85 ; 253.2,81.28 D106.B8 ; D106.B8 255.34,81.28 ; D106.B8 254.27,80.21 ; D106.B8 254.27,82.35 ; 29.68,38.1 D120.B7 ; D120.B7 30.75,39.17 ; D120.B7 31.82,38.1 ; D120.B7 30.75,37.03 ; 113.5,360.68 CSDPS426.C7 ; CSDPS426.C7 115.64,360.68 ; CSDPS426.C7 114.57,361.75 ; CSDPS426.C7 114.57,359.61 ; D115.B10 181.68,368.3 ; D115.B10 179.54,368.3 ; D115.B10 180.61,369.37 ; D115.B10 180.61,367.23 ; D232.A12 28.21,394.77 ; D232.A12 28.21,392.63 ; D232.A12 27.14,393.7 ; D232.A12 29.28,393.7 ; 89.17,37.03 D124.B1 ; D124.B1 90.24,38.1 ; D124.B1 88.1,38.1 ; D124.B1 89.17,39.17 ; D105.B10 260.42,101.6 ; D105.B10 259.35,100.53 ; D105.B10 258.28,101.6 ; D105.B10 259.35,102.67 ; UHC230.G4 17.69,351.79 ; UHC230.G4 16.88,350.98 ; UHC230.G4 16.07,351.79 ; UHC230.G4 16.88,352.6 ; D117.B12 43.45,102.67 ; D117.B12 43.45,100.53 ; D117.B12 44.52,101.6 ; D117.B12 42.38,101.6 ; 264.43,331.67 D109.A6 ; D109.A6 263.36,332.74 ; D109.A6 264.43,333.81 ; D109.A6 265.5,332.74 ; 15.73,352.73 UHC230.G4_5 ; UHC230.G4_5 14.92,353.54 ; UHC230.G4_5 15.73,354.35 ; UHC230.G4_5 16.54,353.54 ; D110.A5 266.97,356.67 ; D110.A5 268.04,355.6 ; D110.A5 265.9,355.6 ; D110.A5 266.97,354.53 ; 178.07,329.13 D113.B11 ; D113.B11 179.14,330.2 ; D113.B11 178.07,331.27 ; D113.B11 177,330.2 ; 179.54,101.6 D101.B8 ; D101.B8 180.61,100.53 ; D101.B8 180.61,102.67 ; D101.B8 181.68,101.6 ; 95.72,76.2 D122.A4 ; D122.A4 96.79,75.13 ; D122.A4 96.79,77.27 ; D122.A4 97.86,76.2 ; 236.49,57.35 D107.B1 ; D107.B1 236.49,59.49 ; D107.B1 235.42,58.42 ; D107.B1 237.56,58.42 ; D124.B3 94.25,39.17 ; D124.B3 95.32,38.1 ; D124.B3 93.18,38.1 ; D124.B3 94.25,37.03 ; 89.17,390.09 D228.B17 ; D228.B17 89.17,392.23 ; D228.B17 88.1,391.16 ; D228.B17 90.24,391.16 ; 37.3,373.38 D231.A8 ; D231.A8 38.37,374.45 ; D231.A8 39.44,373.38 ; D231.A8 38.37,372.31 ; 123.66,33.02 D124.A15 ; D124.A15 125.8,33.02 ; D124.A15 124.73,34.09 ; D124.A15 124.73,31.95 ; 18.05,377.39 D431.B16 ; D431.B16 16.98,378.46 ; D431.B16 18.05,379.53 ; D431.B16 19.12,378.46 ; D227.A12 102.94,373.38 ; D227.A12 100.8,373.38 ; D227.A12 101.87,372.31 ; D227.A12 101.87,374.45 ; 109.49,52.27 D123.A9 ; D123.A9 108.42,53.34 ; D123.A9 110.56,53.34 ; D123.A9 109.49,54.41 ; D431.A16 19.12,383.54 ; D431.A16 16.98,383.54 ; D431.A16 18.05,382.47 ; D431.A16 18.05,384.61 ; 28.21,402.79 D432.A12 ; D432.A12 29.28,403.86 ; D432.A12 27.14,403.86 ; D432.A12 28.21,404.93 ; 45.99,52.27 D119.A13 ; D119.A13 47.06,53.34 ; D119.A13 44.92,53.34 ; D119.A13 45.99,54.41 ; D116.A7 188.23,397.31 ; D116.A7 189.3,396.24 ; D116.A7 187.16,396.24 ; D116.A7 188.23,395.17 ; 43.45,392.63 D232.A6 ; D232.A6 43.45,394.77 ; D232.A6 42.38,393.7 ; D232.A6 44.52,393.7 ; 100.8,378.46 D427.B12 ; D427.B12 102.94,378.46 ; D427.B12 101.87,379.53 ; D427.B12 101.87,377.39 ; D109.A11 251.73,336.35 ; D109.A11 252.8,335.28 ; D109.A11 250.66,335.28 ; D109.A11 251.73,334.21 ; 167.91,390.09 D116.B15 ; D116.B15 168.98,391.16 ; D116.B15 167.91,392.23 ; D116.B15 166.84,391.16 ; 272.05,92.91 D105.A15 ; D105.A15 273.12,93.98 ; D105.A15 272.05,95.05 ; D105.A15 270.98,93.98 ; 98.26,330.2 CSDPS225.C13 ; CSDPS225.C13 100.4,330.2 ; CSDPS225.C13 99.33,329.13 ; CSDPS225.C13 99.33,331.27 ; DPS1.A11 261.89,12.98 261.09,12.18 SB1.1 ; DPS1.A11 261.89,15.04 ; DPS1.A11 262.96,13.97 ; DPS1.A11 260.82,13.97 ; D122.A14 122.19,77.27 ; D122.A14 122.19,75.13 ; D122.A14 121.12,76.2 ; D122.A14 123.26,76.2 ; 42.38,378.46 D431.B6 ; D431.B6 44.52,378.46 ; D431.B6 43.45,377.39 ; D431.B6 43.45,379.53 ; 174.46,332.74 D113.A12 ; D113.A12 175.53,333.81 ; D113.A12 175.53,331.67 ; D113.A12 176.6,332.74 ; D432.A7 40.91,407.47 ; D432.A7 39.84,406.4 ; D432.A7 40.91,405.33 ; D432.A7 41.98,406.4 ; 241.57,334.21 D109.A15 ; D109.A15 240.5,335.28 ; D109.A15 241.57,336.35 ; D109.A15 242.64,335.28 ; D124.A7 105.48,33.02 ; D124.A7 104.41,34.09 ; D124.A7 103.34,33.02 ; D124.A7 104.41,31.95 ; D105.A11 262.96,93.98 ; D105.A11 261.89,95.05 ; D105.A11 260.82,93.98 ; D105.A11 261.89,92.91 ; DPS3.C01 90.24,19.05 ; DPS3.C01 89.17,17.98 ; DPS3.C01 88.1,19.05 ; DPS3.C01 89.17,20.12 ; D101.A9 184.22,93.98 ; D101.A9 183.15,92.91 ; D101.A9 182.08,93.98 ; D101.A9 183.15,95.05 ; 90.64,55.88 D123.A2 ; D123.A2 91.71,54.81 ; D123.A2 92.78,55.88 ; D123.A2 91.71,56.95 ; 269.51,346.91 D110.B4 ; D110.B4 270.58,347.98 ; D110.B4 268.44,347.98 ; D110.B4 269.51,349.05 ; D118.A8 34.36,76.2 ; D118.A8 32.22,76.2 ; D118.A8 33.29,75.13 ; D118.A8 33.29,77.27 ; D108.B14 269.51,41.71 ; D108.B14 269.51,39.57 ; D108.B14 268.44,40.64 ; D108.B14 270.58,40.64 ; D427.A5 119.65,387.15 ; D427.A5 119.65,385.01 ; D427.A5 120.72,386.08 ; D427.A5 118.58,386.08 ; D112.B6 265.5,388.62 ; D112.B6 263.36,388.62 ; D112.B6 264.43,387.55 ; D112.B6 264.43,389.69 ; D124.B2 91.71,41.71 ; D124.B2 91.71,39.57 ; D124.B2 92.78,40.64 ; D124.B2 90.64,40.64 ; D108.A5 247.72,33.02 ; D108.A5 245.58,33.02 ; D108.A5 246.65,34.09 ; D108.A5 246.65,31.95 ; UHC230.G3_8 45.19,351.79 ; UHC230.G3_8 43.57,351.79 ; UHC230.G3_8 44.38,350.98 ; UHC230.G3_8 44.38,352.6 ; 167.91,411.68 DPS2.B15 ; DPS2.B15 167.91,413.82 ; DPS2.B15 168.98,412.75 ; DPS2.B15 166.84,412.75 ; 272.05,390.09 D112.B3 ; D112.B3 273.12,391.16 ; D112.B3 270.98,391.16 ; D112.B3 272.05,392.23 ; 53.61,59.89 D119.B16 ; D119.B16 53.61,62.03 ; D119.B16 54.68,60.96 ; D119.B16 52.54,60.96 ; D228.A16 92.78,393.7 ; D228.A16 91.71,392.63 ; D228.A16 90.64,393.7 ; D228.A16 